# Altium PCB motordriver-v5.1.PcbDoc (part 6 of 8)
Units mil, origin at the board's own origin, x right, y up, seen from the top; angles counter-clockwise.
Board outline 4531.01 x 6141.73 mil, 6 copper layers (Top Copper, GND Layer 1, Signal Layer 1, Signal Layer 2, PWR Layer, Bottom Copper), stack 58.2 mil thick; 748 components, 531 nets, 2475 pads, 1059 vias.
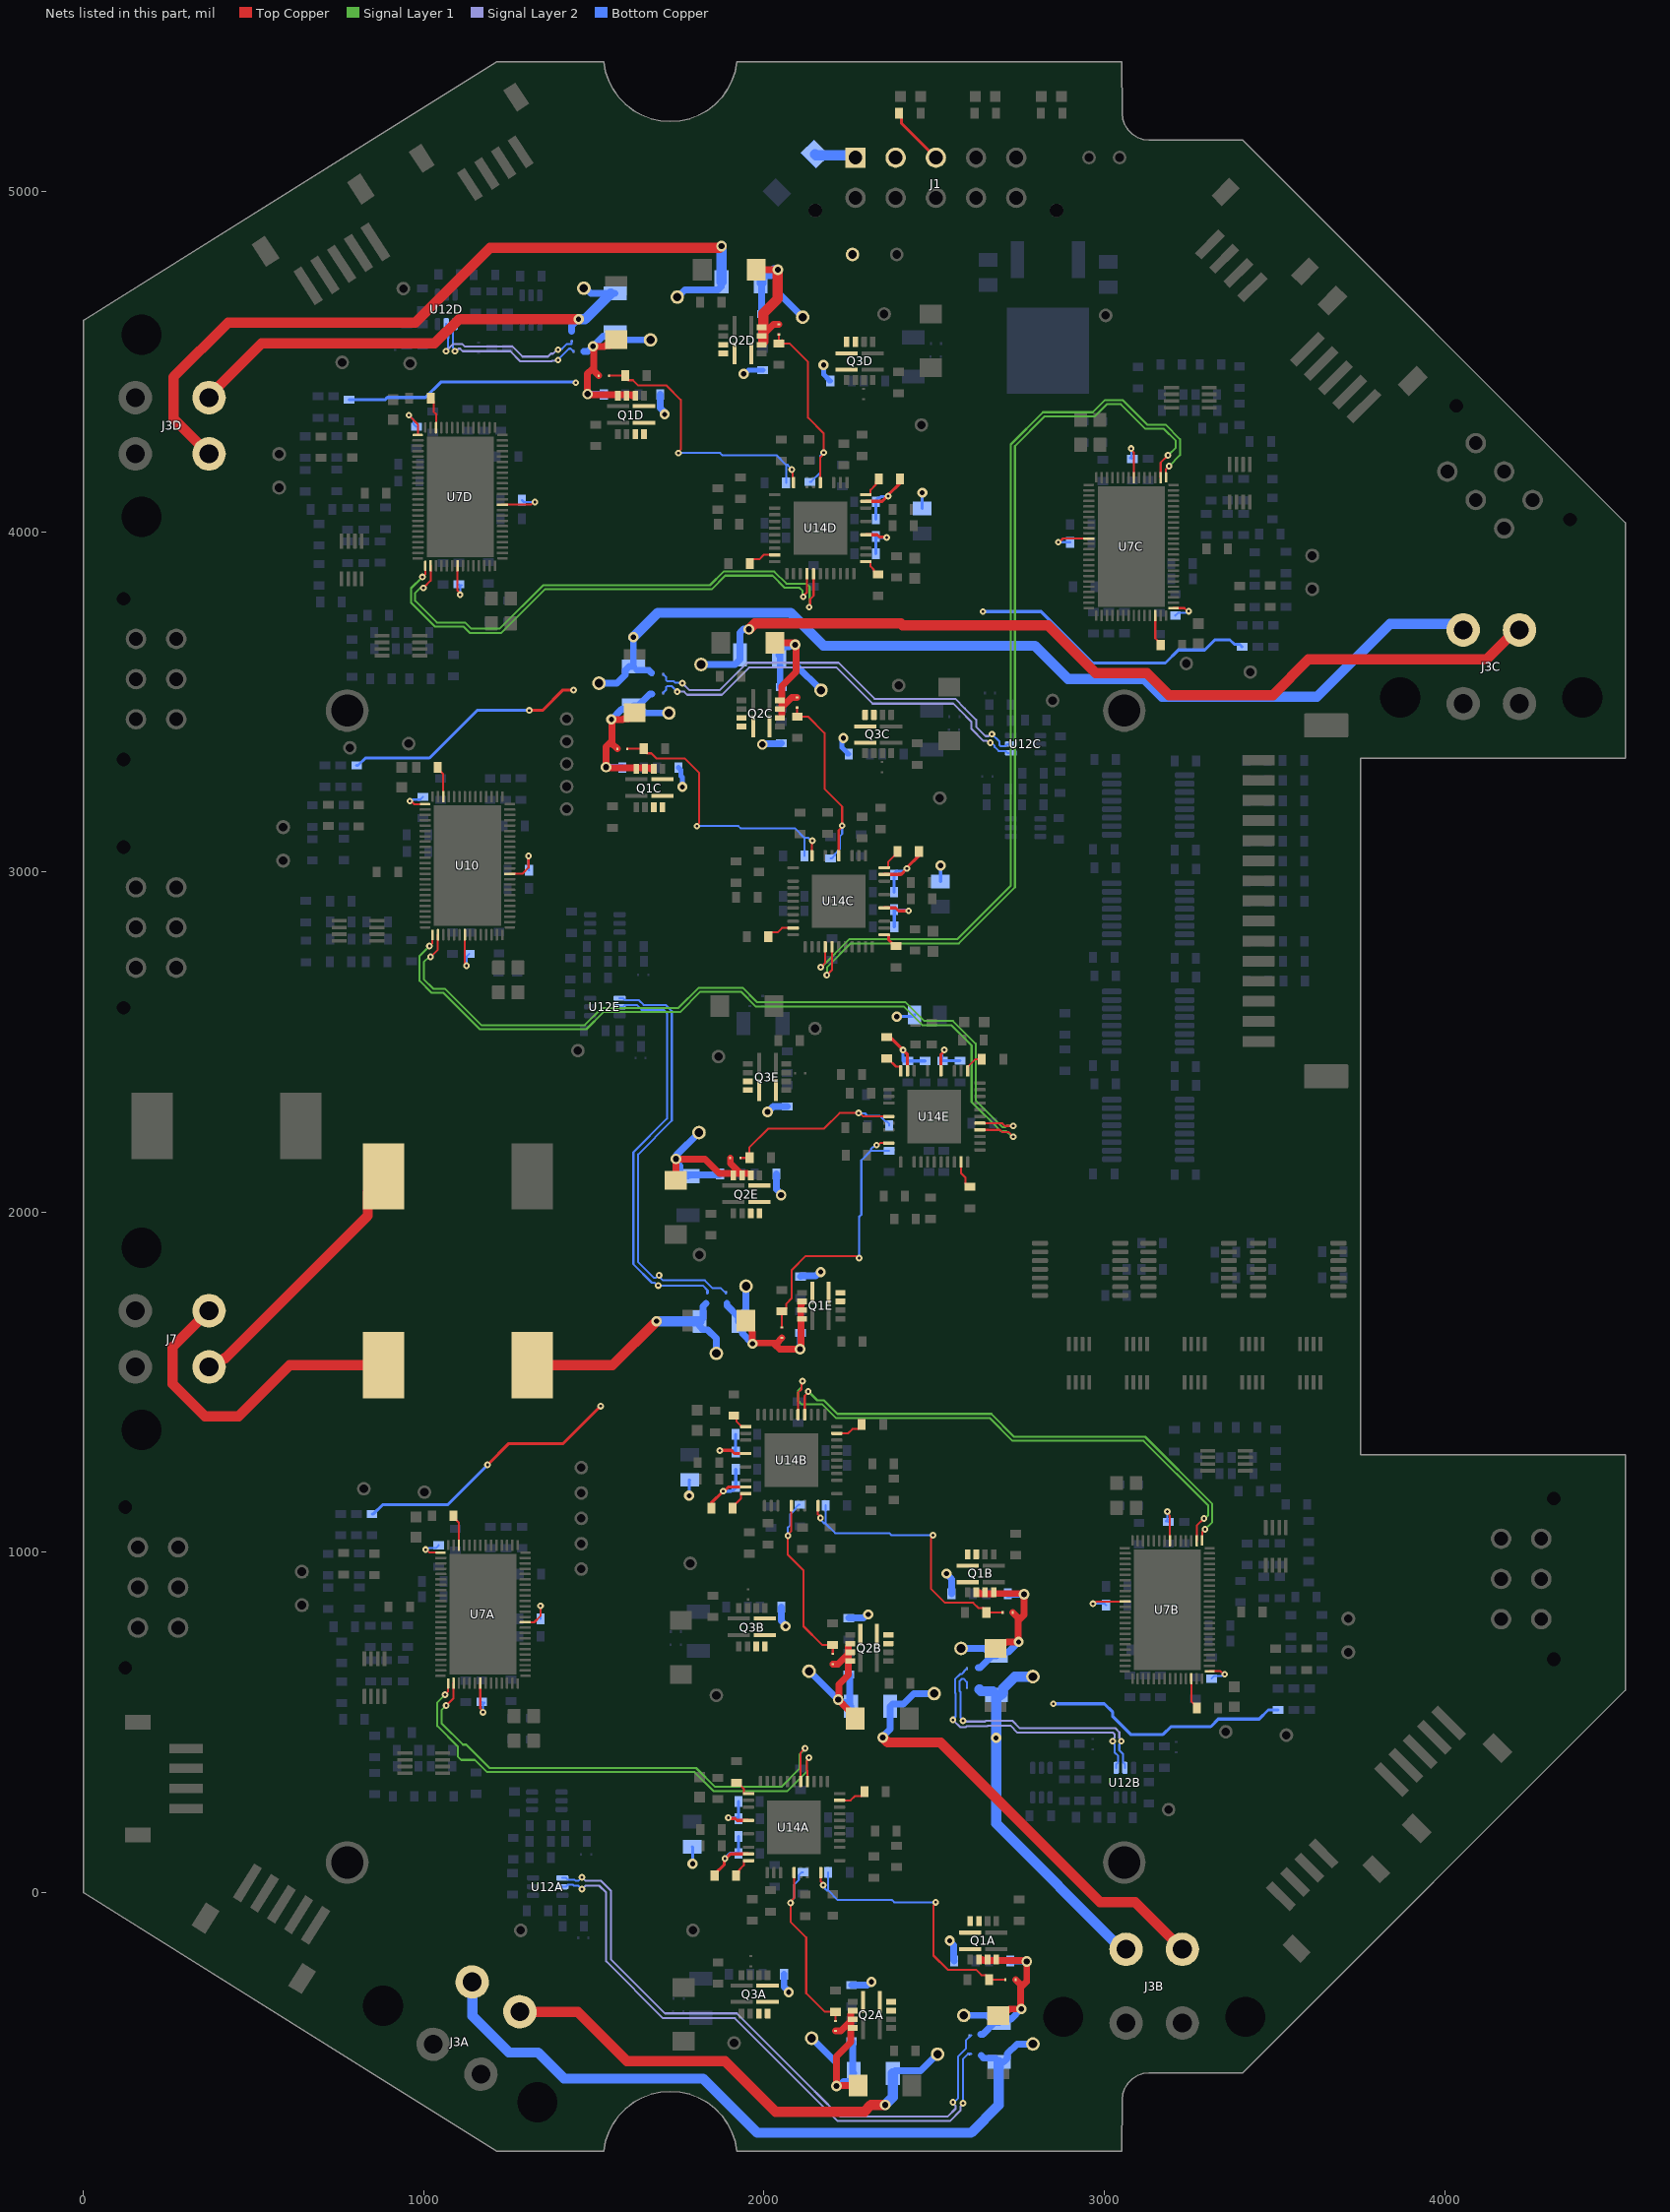
[diagram p10: the nets of this part, all layers, seen from the top]

## Via types
v1: diameter 19.68, hole 7.87, Top Copper to Bottom Copper, tented both sides, 714 vias
v2: diameter 19.68, hole 7.87, Top Copper to Bottom Copper, 243 vias
v3: diameter 30, hole 15, Top Copper to Bottom Copper, tented both sides, 73 vias
v4: diameter 31.5, hole 17.72, Top Copper to Bottom Copper, tented both sides, 29 vias

## Nets (pads, with @x,y where several pads share a name; then routed paths per layer and width w, separated by ;. In a path a pad name is that pad's centre, name@x,y a point inside that pad or via, vN(x,y) a via of type N, cw(c..) or ccw(c..) an arc to the next point about the centre after c; other vN are vias at no path point) (continued)
SPEA: R38A.1 U14A.22 | length 55.8
  Top Copper w6: R38A.1@1918.79,323.04 1922.73,323.04 1941.02,304.75 1941.02,292.75 1942.94,290.83 U14A.22@1954.2,290.83
SPEB: R38B.1 U14B.22 | length 53.5
  Top Copper w6: R38B.1@1911.32,1401.63 1919.74,1393.2 1919.74,1384.33 1934.51,1369.57 U14B.22@1946.32,1369.57
SPEC: R38C.1 U14C.22 | length 56.7
  Top Copper w8: U14C.22@2353.3,2815.63 2365.11,2815.63 2366.03,2814.71 2366.03,2800.58 2384.05,2782.56 R38C.1@2387.99,2782.56
SPED: R38D.1 U14D.22 | length 61.4
  Top Copper w6: U14D.22@2299.19,3912.31 2311.01,3912.31 2312.93,3910.39 2312.93,3898.58 2322.28,3889.23 2322.28,3883.74 2331.09,3874.93 R38D.1@2335.02,3874.93
SPEE: R38E.1 U14E.22 | length 62.6
  Top Copper w6: U14E.22@2598.75,2415.27 2598.75,2427.08 2621.66,2450 R38E.1@2640,2450
STATUSA: R25A.2 U7A.12 | length 93.2
  Top Copper w6: R25A.2@1087.38,1107.6 1087.38,1103.67 1103.2,1087.84 U7A.12@1103.2,1020.95
STATUSB: R25B.2 U7B.12 | length 93.2
  Top Copper w6: U7B.12@3255.78,629 3255.78,562.11 3271.6,546.29 R25B.2@3271.6,542.35
STATUSC: R25C.2 U7C.12 | length 93.2
  Top Copper w6: U7C.12@3149.78,3753.9 3149.78,3687 3165.6,3671.18 R25C.2@3165.6,3667.24
STATUSD: R25D.2 U7D.12 | length 93.2
  Top Copper w6: R25D.2@1020.38,4392.6 1029.19,4383.79 1029.19,4353.28 1036.2,4346.26 U7D.12@1036.2,4305.95
STATUSE: R46.2 U10.12 | length 93.2
  Top Copper w6: R46.2@1041.19,3307.76 1041.19,3303.82 1057.01,3288 U10.12@1057.01,3221.11
TESTA: R24A.1 U14A.9 | length 86.1
  Top Copper w6: U14A.9@2221.91,271.14 2254.57,271.14 2267.25,283.82 2285.68,283.82 2294.99,293.13 R24A.1@2294.99,297.07
TESTB: R24B.1 U14B.9 | length 86.1
  Top Copper w6: U14B.9@2214.04,1349.88 2246.7,1349.88 2259.38,1362.56 2277.81,1362.56 2287.12,1371.87 R24B.1@2287.12,1375.81
TESTC: R24C.1 U14C.9 | length 86.1
  Top Copper w6: R24C.1@2012.51,2809.39 2012.51,2813.32 2021.82,2822.63 2040.25,2822.63 2052.93,2835.31 U14C.9@2085.59,2835.31
TESTD: R24D.1 U14D.9 | length 86.1
  Top Copper w6: R24D.1@1958.4,3906.07 1958.4,3910.01 1967.71,3919.32 1986.14,3919.32 1998.82,3931.99 U14D.9@2031.48,3931.99
TESTE: R24E.1 U14E.9 | length 86.1
  Top Copper w6: U14E.9@2579.06,2147.56 2579.06,2114.9 2591.74,2102.22 2591.74,2083.79 2601.05,2074.48 R24E.1@2604.99,2074.48
U_FBKA: C62A.2 NT1A.2 R57A.1 U14A.36 | length 849.1
  Top Copper w6: U14A.36@2166.8,58.54 2166.39,58.14 2166.39,33.47 2173.93,25.93 v1(2173.93,21.95) ; v1(2504.62,-28.43) 2504.62,-32.07 2497.99,-38.7 2497.99,-184.93 2539.78,-226.72 2622.78,-226.72 2638.48,-242.42 2651.8,-242.42 2661.11,-251.73 R57A.1@2661.11,-255.67 NT1A.2@2708.99,-255.67
  Bottom Copper w6: v1(2173.93,21.95) 2173.93,17.98 2180.17,11.74 2180.17,10.74 2184.53,6.39 2188.67,6.39 ; C62A.2@2188.67,59.29 2188.67,6.39 ; v1(2504.62,-28.43) 2382.75,-28.43 2376.26,-21.93 2216.99,-21.93 2188.67,6.39
U_FBKB: C62B.2 NT1B.2 R57B.1 U14B.36 | length 849.1
  Top Copper w6: U14B.36@2158.92,1137.28 2158.52,1136.88 2158.52,1112 2165.62,1104.89 v1(2165.62,1100.92) ; v1(2496.74,1050.31) 2496.74,1046.67 2490.12,1040.04 2490.12,893.81 2531.9,852.02 2614.9,852.02 2630.61,836.32 2643.93,836.32 2653.24,827.01 R57B.1@2653.24,823.07 NT1B.2@2701.12,823.07
  Bottom Copper w6: v1(2165.62,1100.92) 2165.62,1096.94 2171.97,1090.6 2171.97,1089.81 2176.65,1085.13 2180.8,1085.13 ; C62B.2@2180.8,1138.03 2180.8,1085.13 ; v1(2496.74,1050.31) 2374.88,1050.31 2368.38,1056.81 2209.12,1056.81 2180.8,1085.13
U_FBKC: C62C.2 NT1C.2 R57C.1 U14C.36 | length 856.8
  Top Copper w6: NT1C.2@1598.51,3362.12 R57C.1@1646.39,3362.12 1646.39,3358.19 1655.7,3348.88 1669.02,3348.88 1684.72,3333.17 1767.72,3333.17 1809.51,3291.39 1809.51,3145.15 1802.88,3138.52 v1(1802.88,3134.88) ; U14C.36@2140.7,3047.91 2141.11,3048.31 2141.11,3075.33 2140.4,3076.03 2140.4,3090.81 v1(2141.83,3092.24)
  Bottom Copper w6: v1(1802.88,3134.88) 1924.75,3134.88 1931.24,3128.39 2090.51,3128.39 2118.83,3100.06 ; C62C.2@2118.83,3047.16 2118.83,3100.06 ; v1(2141.83,3092.24) 2138.13,3092.24 2130.31,3100.06 2118.83,3100.06
U_FBKD: C62D.2 NT1D.2 R57D.1 U14D.36 | length 848.8
  Top Copper w6: NT1D.2@1544.4,4458.81 R57D.1@1592.28,4458.81 1592.28,4454.87 1601.59,4445.56 1614.91,4445.56 1630.61,4429.86 1713.61,4429.86 1755.4,4388.07 1755.4,4241.83 1748.77,4235.21 v1(1748.77,4231.56) ; v1(2081.66,4182.65) 2084.17,4180.13 2084.17,4147.01 U14D.36@2086.6,4144.59
  Bottom Copper w6: v1(1748.77,4231.56) 1870.64,4231.56 1877.14,4225.07 2036.4,4225.07 2064.72,4196.75 ; C62D.2@2064.72,4143.84 2064.72,4196.75 ; v1(2081.66,4182.65) 2081.66,4183.95 2068.86,4196.75 2064.72,4196.75
U_FBKE: C62E.2 NT1E.2 R57E.1 U14E.36 | length 849.5
  Top Copper w6: NT1E.2@2052.25,1660.48 R57E.1@2052.25,1708.36 2056.19,1708.36 2065.5,1717.67 2065.5,1730.99 2081.2,1746.69 2081.2,1829.69 2122.99,1871.48 2269.22,1871.48 2275.85,1864.85 v1(2279.5,1864.85) ; v1(2331.04,2196.88) 2335.01,2196.88 2341.21,2203.08 2366.06,2203.08 U14E.36@2366.47,2202.67
  Bottom Copper w6: v1(2279.5,1864.85) 2279.5,1986.72 2285.99,1993.21 2285.99,2152.48 2314.31,2180.8 ; v1(2331.04,2196.88) 2327.07,2196.88 2320.99,2190.8 2319.57,2190.8 2314.31,2185.55 2314.31,2180.8 ; C62E.2@2367.21,2180.8 2314.31,2180.8
U_L1: J7.1 L1.1 | length 981.2
  Top Copper w30: J7.1@368.99,1710.42 262,1603.43 262,1495 357,1400 456,1400 606.07,1550.07 L1.1@881.99,1550.07
U_SENSEA_N: NT3A.1 U12A.5 | length 1786
  Signal Layer 2 w6: v1(1465,10) 1475.5,20.5 1515.5,20.5 1536,0 1536,-201.8 1703.2,-369 1914.2,-369 2216.94,-671.74 2546.1,-671.74 2577.04,-640.8 2577.04,-629.29 2584.99,-621.34 v1(2584.99,-618.93)
  Bottom Copper w6: U12A.5@1407.62,17.4 1417.96,17.4 1423.76,23.2 1437.83,23.2 1440.53,20.5 1454.5,20.5 v1(1465,10) ; v1(2584.99,-618.93) 2584.99,-488.33 2599.88,-473.43 2607.49,-473.43 2608.99,-474.93
U_SENSEA_P: NT2A.1 U12A.4 | length 1826.1
  Top Copper w6: v1@2555.09,-617.55 v1(2555.09,-616.3)
  Signal Layer 2 w6: v1(1465,45) 1475.5,34.5 1521.3,34.5 1550,5.8 1550,-196 1709,-355 1920,-355 2150.05,-585.05 2155,-590 2222.74,-657.74 2540.3,-657.74 2563.04,-635 2563.04,-626.66 2555.09,-618.71 v1(2555.09,-616.3)
  Bottom Copper w6: U12A.4@1407.62,42.99 1417.96,42.99 1423.76,37.2 1443.63,37.2 1446.33,34.5 1454.5,34.5 v1(1465,45) ; v1@2556.62,-618.53 2569.99,-605.16 2569.99,-482.11 2593.08,-459.02 2593.08,-434.84 2607.99,-419.93 2608.99,-419.93
U_SENSEB_N: NT3B.1 U12B.5 | length 754.9
  Signal Layer 2 w6: v1(2585,505) 2587.17,502.83 2650.4,502.83 2652.57,505 2729.8,505 2750.8,484 3031.76,484 ; 3031.76,483.82 3044.16,471.42 3044.16,454.36 3050,448.52 v1(3050,444.82)
  Bottom Copper w6: v1(2585,505) 2585,507.41 2577.05,515.36 2577.05,590.64 2575,592.69 2575,621.49 2581.77,628.26 2586.74,628.26 2596.12,618.88 NT3B.1@2596.12,603.81 ; v1@3050,441.11 v1@3050,441.3 ; v1(3050,444.82) v1@3050,441.3 ; U12B.5@3060.6,366.62 3060.6,376.96 3054.8,382.76 3054.8,407.48 3044.16,418.13 3044.16,435.45 v1@3050,441.3
U_SENSEB_P: NT2B.1 U12B.4 | length 780.1
  Signal Layer 2 w6: v1(2555.1,507.63) 2576.57,486.16 2592.8,486.16 2595.48,488.83 2656.2,488.83 2658.37,491 2724,491 2745,470 3025.96,470 ; v1(3024.31,444.82) 3024.31,448.52 3030.16,454.36 3030.16,465.62 3025.96,469.82
  Bottom Copper w6: v1(2555.1,507.63) 2555.1,510.04 2563.05,517.99 2563.05,584.84 2561,586.89 2561,627.28 2575.97,642.26 2581.02,642.26 2587.63,648.86 2587.63,650.32 NT2B.1@2596.12,658.81 ; v1@3024.31,441.11 v1@3024.31,441.3 ; v1(3024.31,444.82) v1@3024.31,441.3 ; U12B.4@3035.01,366.62 3035.01,376.96 3040.8,382.76 3040.8,401.69 3030.16,412.33 3030.16,435.45 v1@3024.31,441.3
U_SENSEC_N: NT3C.1 U12C.5 | length 1205.6
  Signal Layer 2 w6: v1(1760,3555) 1780,3535 1870.2,3535 1950.2,3615 2219,3615 2325,3509 2561.8,3509 2589.9,3480.9 2623.31,3447.49 2623.31,3426.99 2650.91,3399.38 2660.44,3399.38 2666.05,3405 v1(2669.76,3405)
  Bottom Copper w6: NT3C.1@1703.51,3581.39 1711.87,3573.02 1711.87,3564.4 1715.39,3560.89 1733.91,3560.89 1737.78,3557.02 1757.98,3557.02 v1(1760,3555) ; v1(2669.76,3405) 2691.66,3383.1 2691.66,3373.38 2695.18,3369.87 2709.25,3369.87 2715.04,3375.66 U12C.5@2725.39,3375.66
U_SENSEC_P: NT2C.1 U12C.4 | length 1197.1
  Signal Layer 2 w6: v1(1745,3530) 1765.2,3530 1774.2,3521 1876,3521 1956,3601 2213.2,3601 2319.2,3495 2556,3495 2575.05,3475.95 2609.31,3441.69 2609.31,3421.19 2645.12,3385.38 2655.64,3385.38 2661.25,3379.77 v1(2664.96,3379.77)
  Bottom Copper w6: NT2C.1@1703.51,3526.39 1711.87,3534.75 1711.87,3543.37 1715.39,3546.89 1728.11,3546.89 v1(1745,3530) ; v1(2664.96,3379.77) 2668.66,3379.77 2674.12,3374.31 ; 2674.15,3374.31 2677.66,3370.8 2677.66,3367.58 2689.38,3355.87 2709.25,3355.87 2715.04,3350.07 U12C.4@2725.39,3350.07
U_SENSED_N: NT3D.1 U12D.5 | length 502.1
  Signal Layer 2 w6: v1(1065.63,4530.67) 1065.63,4531.13 1086.56,4552.06 1112.94,4552.06 1120.08,4544.92 1260.08,4544.92 1290,4515 1365,4515 1373.69,4523.69 1379.99,4523.69 1391.3,4535 v1(1395,4535)
  Bottom Copper w6: v1(1065.63,4530.67) 1065.63,4534.37 1071.72,4540.47 1071.72,4569.13 1072.19,4569.59 1072.19,4594.31 1066.39,4600.1 U12D.5@1066.39,4610.45 ; v1(1395,4535) 1397.62,4537.62 1406.85,4537.62 1421.23,4552 1435,4552 NT3D.1@1435,4560
U_SENSED_P: NT2D.1 U12D.4 | length 470.7
  Signal Layer 2 w6: v1(1091.82,4530.67) 1094.79,4530.67 1102.17,4538.06 1107.14,4538.06 1110.18,4535.02 1114.28,4530.92 1254.28,4530.92 1284.2,4501 1375.3,4501 1376.68,4502.38 1392.38,4502.38 v1(1395,4505)
  Bottom Copper w6: v1(1091.82,4530.67) 1091.82,4534.37 1085.72,4540.47 1085.72,4563.33 1086.19,4563.79 1086.19,4594.31 1091.98,4600.1 U12D.4@1091.98,4610.45 ; v1(1395,4505) 1395,4505.97 1427.03,4538 1432,4538 NT2D.1@1440,4530
U_SENSEE_N: NT3E.1 U12E.5 | length 1191
  Bottom Copper w6: U12E.5@1575.62,2603.4 1585.96,2603.4 1591.76,2609.2 1626.21,2609.2 1640.41,2595 1705,2595 1715,2585 1715,2275 1616,2176 1616,1847.14 1670.49,1792.64 1678.42,1792.64 1686.58,1784.48 v1(1688.99,1784.48) 1819.6,1784.48 1834.49,1769.59 1834.49,1761.98 1832.99,1760.48
U_SENSEE_P: NT2E.1 U12E.4 | length 1254.2
  Top Copper w6: v1@1690.37,1814.38 v1(1691.62,1814.38)
  Bottom Copper w6: U12E.4@1575.62,2628.99 1585.96,2628.99 1591.76,2623.2 1632.01,2623.2 1646.2,2609 1710.8,2609 1729,2590.8 1729,2269.2 1630,2170.2 1630,1852.93 1676.29,1806.64 1681.26,1806.64 1689,1814.38 v1(1691.62,1814.38) ; v1@1689.39,1812.85 1702.76,1799.48 1825.81,1799.48 1848.9,1776.39 1873.08,1776.39 1887.99,1761.48 1887.99,1760.48
U_SWA: C59A.2 D7A.2 NT1A.1 NT2A.2 Q1A.8 R60A.2 TP14A.1 | length 679.9
  Top Copper w20: 2640.99,-196.93 2643.99,-199.93 2682.76,-199.93 2682.96,-199.73 2769.79,-199.73 v4(2771.99,-201.93) 2771.99,-262.03 2758.67,-275.35 ; D7A.2@2687.99,-361.6 2705.55,-344.04 2719.88,-344.04 2721.99,-341.93 v3(2755.99,-341.93) 2754.08,-340.02 2754.08,-270.76 NT1A.1@2738.99,-255.67
  Bottom Copper w20: TP14A.1@2586.99,-360.93 2656.28,-360.93 R60A.2@2677.8,-382.45 ; 2636.99,-416.93 2643.32,-416.93 R60A.2@2677.8,-382.45 ; C59A.2@2724.1,-200.55 2724.79,-201.24 2771.3,-201.24 v4(2771.99,-201.93) ; v3(2755.99,-341.93) 2726.14,-371.78 2701.66,-371.78 R60A.2@2690.99,-382.45 R60A.2@2677.8,-382.45
U_SWB: C59B.2 D7B.2 NT1B.1 NT2B.2 Q1B.8 R60B.2 TP14B.1 | length 679.9
  Top Copper w20: 2633.12,881.81 2636.12,878.81 2674.89,878.81 2675.09,879.01 2761.92,879.01 v4(2764.12,876.81) 2764.12,816.71 2750.79,803.39 ; D7B.2@2680.12,717.14 2697.68,734.7 2712.01,734.7 2714.12,736.81 v3(2748.12,736.81) 2746.2,738.72 2746.2,807.98 NT1B.1@2731.12,823.07
  Bottom Copper w20: TP14B.1@2579.12,717.81 2648.41,717.81 R60B.2@2669.93,696.29 ; 2629.12,661.81 2635.45,661.81 R60B.2@2669.93,696.29 ; C59B.2@2716.23,878.19 2716.92,877.5 2763.43,877.5 v4(2764.12,876.81) ; v3(2748.12,736.81) 2718.27,706.96 2693.79,706.96 R60B.2@2683.12,696.29 R60B.2@2669.93,696.29
U_SWC: C59C.2 D7C.2 NT1C.1 NT2C.2 Q1C.8 R60C.2 TP14C.1 | length 679.9
  Top Copper w20: 1548.83,3381.8 1535.51,3368.48 v4(1535.51,3308.39) 1537.71,3306.19 1624.54,3306.19 1624.73,3306.39 1663.51,3306.39 1666.51,3303.39 ; NT1C.1@1568.51,3362.12 1553.42,3377.21 1553.42,3446.47 v3(1551.51,3448.39) 1585.51,3448.39 1587.62,3450.5 1601.95,3450.5 D7C.2@1619.51,3468.06
  Bottom Copper w20: v4(1535.51,3308.39) 1536.2,3307.7 1582.71,3307.7 C59C.2@1583.4,3307.01 ; v3(1551.51,3448.39) 1581.36,3478.24 1605.84,3478.24 R60C.2@1616.51,3488.91 R60C.2@1629.7,3488.91 ; NT2C.2@1670.51,3523.39 1664.18,3523.39 R60C.2@1629.7,3488.91 ; TP14C.1@1720.51,3467.39 1651.22,3467.39 R60C.2@1629.7,3488.91
U_SWD: C59D.2 D7D.2 NT1D.1 NT2D.2 Q1D.8 R60D.2 TP14D.1 | length 575.2
  Top Copper w20: 1494.72,4478.48 1481.4,4465.16 v4(1481.4,4405.07) 1483.6,4402.87 1570.43,4402.87 1570.63,4403.07 1609.4,4403.07 1612.4,4400.07 ; NT1D.1@1514.4,4458.81 1499.31,4473.89 1499.31,4543.15 v3(1497.4,4545.07) 1531.4,4545.07 1533.51,4547.18 1547.84,4547.18 D7D.2@1565.4,4564.74
  Bottom Copper w20: NT2D.2@1470,4530 1482.33,4530 v3(1497.4,4545.07) 1527.25,4574.92 ; v4(1481.4,4405.07) 1482.09,4404.38 1528.6,4404.38 C59D.2@1529.29,4403.69 ; 1597.11,4564.07 TP14D.1@1666.4,4564.07
U_SWE: C59E.2 D7E.2 NT1E.1 NT2E.2 Q1E.8 R60E.2 TP14E.1 | length 679.9
  Top Copper w20: D7E.2@1946.32,1681.48 1963.88,1663.92 1963.88,1649.59 1965.99,1647.48 v3(1965.99,1613.48) 1967.9,1615.39 2037.17,1615.39 NT1E.1@2052.25,1630.48 ; 2032.57,1610.8 2045.9,1597.48 v4(2105.99,1597.48) 2108.19,1599.68 2108.19,1686.51 2107.99,1686.71 2107.99,1725.48 2110.99,1728.48
  Bottom Copper w20: NT2E.2@1890.99,1732.48 1890.99,1726.15 R60E.2@1925.47,1691.67 ; TP14E.1@1946.99,1782.48 1946.99,1713.19 R60E.2@1925.47,1691.67 ; v3(1965.99,1613.48) 1936.14,1643.33 1936.14,1667.81 R60E.2@1925.47,1678.48 R60E.2@1925.47,1691.67 ; v4(2105.99,1597.48) 2106.68,1598.17 2106.68,1644.68 C59E.2@2107.37,1645.37
UA: J3A.1 NT3A.2 R60A.1 TP13A.1 | length 2129.3
  Bottom Copper w20: 2637.99,-478.93 2645.8,-486.74 R60A.1@2680.32,-486.74 ; R60A.1@2689.99,-498.41 R60A.1@2690.99,-497.41 2704.18,-497.41 2714.85,-486.74 2714.85,-473.55 2743.4,-445 TP13A.1@2790,-445 TP13A.1@2794.58,-445
  Bottom Copper w30: J3A.1@1142.49,-262.48 1142.49,-362.49 1250,-470 1335.5,-470 1412.17,-546.67 1820.66,-546.67 1980,-706 2018.43,-706 2607.92,-706 2689.99,-623.93 R60A.1@2689.99,-498.41
UB: J3B.1 NT3B.2 R60B.1 TP13B.1 | length 1095.7
  Bottom Copper w30: 2633.46,596.46 2637.93,592 R60B.1@2672.45,592 ; TP13B.1@2794.18,635 TP13B.1@2790,635 2736.79,635 2701.97,600.19 2701.97,587 2696.31,581.33 R60B.1@2683.12,581.33 2682.12,580.33 v3(2682.12,454.81) 2682.12,202.88 3051.77,-166.77 J3B.1@3063.99,-166.77
UC: J3C.1 NT3C.2 R60C.1 TP13C.1 | length 2929.1
  Bottom Copper w20: TP13C.1@1515,3555 1567.64,3555 1592.65,3580.01 1592.65,3593.2 1603.32,3603.87 R60C.1@1616.51,3603.87 1615.99,3604.38 v3(1615.99,3690.07) ; R60C.1@1627.18,3593.2 1661.7,3593.2 1669.51,3585.39
  Bottom Copper w30: v3(1615.99,3690.07) 1687.92,3762 2078,3762 2175,3665 2795,3665 2892.97,3567.03 3117.97,3567.03 3170,3515 3625,3515 3839.6,3729.6 J3C.1@4062.64,3729.6
UD: J3D.1 NT3D.2 R60D.1 TP13D.1 | length 1453.9
  Top Copper w30: J3D.1@368.99,4394.42 368.99,4398.59 523.87,4553.48 1032.09,4553.48 1103.61,4625 v3(1455,4625)
  Bottom Copper w20: NT3D.2@1435,4590 1435,4605 v3(1455,4625) v3@1456.91,4626.91 ; TP13D.1@1470.4,4716.07 1475.81,4716.07 1491.33,4700.55 1549.21,4700.55 R60D.1@1562.4,4700.55
  Bottom Copper w30: v3(1455,4625) 1473.66,4625 R60D.1@1549.21,4700.55
UE: L1.2 NT3E.2 R60E.1 TP13E.1 | length 718.8
  Top Copper w30: L1.2@1319,1550.07 1554.58,1550.07 v3(1683.99,1679.48)
  Bottom Copper w20: R60E.1@1809.51,1679.48 R60E.1@1810.51,1678.48 1810.51,1665.29 1821.18,1654.62 1834.37,1654.62 1860,1628.99 TP13E.1@1860,1585 TP13E.1@1860,1578.95 ; R60E.1@1821.18,1689.15 1821.18,1723.67 1828.99,1731.48
  Bottom Copper w30: v3(1683.99,1679.48) R60E.1@1809.51,1679.48
UHA: U7A.39 U14A.14 | length 1461.4
  Top Copper w6: v1(1062.99,582.07) 1071.71,590.78 U7A.39@1071.71,614.81 ; U14A.14@2127.43,326.26 2127.43,357.48 2125.86,359.04 2125.86,387.1 2131.88,393.12 v1(2131.88,396.82)
  Signal Layer 1 w6: v1(1062.99,582.07) 1040,559.08 1040,490 1100,430 1100,400 1110,390 1150,390 1185.84,354.16 1795.63,354.16 1851.04,298.74 2068.74,298.74 2125,355 2125,386.46 2131.88,393.34 v1(2131.88,396.82)
UHB: U7B.39 U14B.14 | length 1516.6
  Top Copper w6: U14B.14@2119.55,1405 2119.55,1460.27 2129.89,1470.61 v1(2129.89,1473.02) ; U7B.39@3287.27,1035.14 3287.27,1059.17 v1(3295.99,1067.88)
  Signal Layer 1 w6: v1(2129.89,1473.02) 2130.55,1473.02 2156.57,1447 2176.08,1447 2215.92,1407.16 2667.84,1407.16 2735,1340 3120,1340 3317.34,1142.66 3317.34,1089.24 v1(3295.99,1067.88)
UHC: U7C.39 U14C.14 | length 2748.1
  Top Copper w6: v1(2166.79,2720.2) v1(2166.79,2720.2) 2180.07,2733.42 U14C.14@2180.07,2780.19 ; U7C.39@3181.27,4160.04 3181.27,4184.06 v1(3189.99,4192.78)
  Signal Layer 1 w6: v1(2166.79,2720.2) 2168.23,2720.2 2250.3,2802.27 2567.27,2802.27 2725,2960 2725,4256.76 2819.59,4351.35 2966.35,4351.35 3002.27,4387.27 3053.64,4387.27 3125.91,4315 3179.7,4315 3222.27,4272.43 3222.27,4225.06 v1(3189.99,4192.78)
UHD: U7D.39 U14D.14 | length 1491.7
  Top Copper w6: v1(995.99,3867.07) 1004.71,3875.78 U7D.39@1004.71,3899.81 ; v1(2115.14,3808.69) 2115.14,3810.78 2125.97,3821.61 U14D.14@2125.97,3876.88
  Signal Layer 1 w6: v1(995.99,3867.07) 963,3834.08 963,3792 1033.49,3721.51 1116.51,3721.51 1135.03,3703 1228,3703 1356.02,3831.02 1846.02,3831.02 1886.02,3871.02 2025.41,3871.02 2060.64,3835.79 2104.21,3835.79 2112.52,3827.48 2112.52,3811.31 v1(2115.14,3808.69)
UHE: U10.39 U14E.14 | length 2379.3
  Top Copper w6: v1(1016.8,2782.23) 1025.52,2790.94 U10.39@1025.52,2814.97 ; U14E.14@2634.18,2242.04 2693.31,2242.04 2699.69,2235.66 2718.44,2235.66 v1(2732.12,2221.98)
  Signal Layer 1 w6: v1(1016.8,2782.23) 988,2753.42 988,2680.03 1023.03,2645 1057.32,2645 1164.32,2538 1478,2538 1528,2588 1753,2588 1813,2648 1932.15,2648 1975.15,2605 2409.9,2605 2464.9,2550 2550.15,2550 2610,2490.15 2610,2323.58 2695.04,2238.54 2711.46,2238.54 2716.92,2233.08 2717.31,2233.08 2728.42,2221.98 v1(2732.12,2221.98)
ULA: U7A.40 U14A.15 | length 1454.4
  Top Copper w6: v1(1065.99,550.07) 1087.45,571.53 U7A.40@1087.45,615.44 ; U14A.15@2107.74,326.26 2107.74,411.4 v1(2120.69,424.35)
  Signal Layer 1 w6: v1(1065.99,550.07) 1052,536.08 1052,498 1115,435 1125,435 1193.84,366.16 1800.66,366.16 1856.03,310.79 2050.79,310.79 2105,365 2105,405.95 2120.69,421.65 v1(2120.69,424.35)
ULB: U7B.40 U14B.15 | length 1617.9
  Top Copper w6: U14B.15@2099.87,1405 2099.87,1469.9 2110.04,1480.07 2110.04,1500.31 v1(2112.82,1503.09) ; U7B.40@3271.53,1034.51 3271.53,1078.42 v1(3292.99,1099.88)
  Signal Layer 1 w6: v1(2112.82,1503.09) 2110.2,1500.47 2110.2,1485.2 2100,1475 2100,1446 2111,1435 2171.11,1435 2210.95,1395.16 2662.87,1395.16 2730.03,1328 3115.03,1328 3305.34,1137.69 3305.34,1109.21 3296.02,1099.88 v1(3292.99,1099.88)
ULC: U7C.40 U14C.15 | length 2753.8
  Top Copper w6: v1(2184.35,2697.17) 2199.76,2712.58 U14C.15@2199.76,2780.19 ; U7C.40@3165.53,4159.41 3165.53,4203.31 v1(3186.99,4224.78)
  Signal Layer 1 w6: v1(2184.35,2697.17) 2185.63,2698.45 2185.63,2720.63 2255,2790 2572.35,2790 2737.27,2954.92 2737.27,4251.68 2824.67,4339.08 2971.43,4339.08 3007.35,4375 3048.94,4375 3121.21,4302.73 3175,4302.73 3210,4267.73 3210,4247.79 v1(3186.99,4224.78)
ULD: U7D.40 U14D.15 | length 1572.2
  Top Copper w6: v1(998.99,3835.07) 1020.45,3856.53 U7D.40@1020.45,3900.44 ; v1(2132.7,3778.79) 2135.48,3781.57 2135.48,3801.81 2145.65,3811.98 U14D.15@2145.65,3876.88
  Signal Layer 1 w6: v1(998.99,3835.07) 990.07,3835.07 975,3820 975,3796.97 1038.46,3733.51 1121.49,3733.51 1140,3715 1223.03,3715 1351.05,3843.02 1841.05,3843.02 1881.05,3883.02 2030.41,3883.02 2065.65,3847.79 2124.67,3847.79 2133.98,3838.47 2133.98,3780.07 v1(2132.7,3778.79)
ULE: U10.40 U14E.15 | length 2354.3
  Top Copper w6: v1(1019.8,2750.23) 1041.27,2771.69 U10.40@1041.27,2815.6 ; U14E.15@2634.18,2261.73 2699.08,2261.73 2707.14,2253.66 v1(2732.4,2253.66)
  Signal Layer 1 w6: v1(1019.8,2750.23) 1015.23,2750.23 1000,2735 1000,2685 1028,2657 1062.29,2657 1169.29,2550 1473.03,2550 1523.03,2600 1748.03,2600 1808.03,2660 1937.12,2660 1980.12,2617 2416.03,2617 2471.01,2562.02 2555.1,2562.02 2622,2495.12 2622,2328.56 2700.01,2250.54 2708.5,2250.54 2711.62,2253.66 v1(2732.4,2253.66)
V_FBKA: C63A.2 NT4A.2 R63A.1 U14A.33 | length 633.3
  Top Copper w6: U14A.33@2088.06,58.54 2087.99,58.48 2087.99,-15.96 2077.99,-25.96 v1(2077.99,-29.93) 2077.99,-85.93 2123.99,-131.93 2123.99,-295.93 2178.61,-350.55 R63A.1@2209.73,-350.55 ; R63A.1@2200.42,-359.86 R63A.1@2209.73,-350.55 ; NT4A.2@2209.99,-376.93 2209.99,-350.81 R63A.1@2209.73,-350.55
  Bottom Copper w6: v1(2077.99,-29.93) 2077.99,-26.58 2087.98,-16.59 2087.98,22.98 2102.25,37.25 2102.25,51.19 2111.06,60 C63A.2@2115,60
V_FBKB: C63B.2 NT4B.2 R63B.1 U14B.33 | length 633.7
  Top Copper w6: U14B.33@2080.18,1137.28 2080.12,1137.22 2080.12,1062.78 2070.12,1052.78 v1(2070.12,1048.81) 2070.12,992.81 2116.12,946.81 2116.12,782.81 2170.74,728.19 R63B.1@2201.86,728.19 ; R63B.1@2192.55,718.88 R63B.1@2201.86,728.19 ; NT4B.2@2202.12,701.81 2202.12,727.93 R63B.1@2201.86,728.19
  Bottom Copper w6: v1(2070.12,1048.81) 2070.12,1073.14 2077.27,1080.29 2077.27,1112.27 2092.25,1127.25 2092.25,1131.19 2101.06,1140 C63B.2@2105,1140
V_FBKC: C63C.2 NT4C.2 R63C.1 U14C.33 | length 625.5
  Top Copper w6: NT4C.2@2097.5,3483.39 2097.51,3457.26 R63C.1@2097.77,3457.01 2128.89,3457.01 2177.79,3408.11 2177.79,3244.11 2229.51,3192.39 v1(2229.51,3136.39) 2229.51,3132.41 2219.51,3122.41 2219.51,3047.98 U14C.33@2219.44,3047.91
  Bottom Copper w6: C63C.2@2195,3040 2198.94,3040 2207.75,3048.81 2207.75,3052.75 2223.04,3068.04 2223.04,3105.4 2229.51,3111.86 v1(2229.51,3136.39)
V_FBKD: C63D.2 NT4D.2 R63D.1 U14D.33 | length 630.8
  Top Copper w6: NT4D.2@2043.4,4580.07 2043.4,4553.94 R63D.1@2043.66,4553.69 ; R63D.1@2052.97,4563 R63D.1@2043.66,4553.69 ; U14D.33@2165.34,4144.59 2165.4,4144.66 2165.4,4219.09 2175.4,4229.09 v1(2175.4,4233.07) 2175.4,4289.07 2129.4,4335.07 2129.4,4499.07 2074.78,4553.69 R63D.1@2043.66,4553.69
  Bottom Copper w6: C63D.2@2135,4147.01 2138.94,4147.01 2165,4173.07 2165,4222.67 v1(2175.4,4233.07)
V_FBKE: C63E.2 NT4E.2 R63E.1 U14E.33 | length 633.1
  Top Copper w6: NT4E.2@1930.99,2159.48 1957.11,2159.48 R63E.1@1957.37,2159.74 ; R63E.1@1948.06,2169.05 R63E.1@1957.37,2159.74 ; U14E.33@2366.47,2281.41 2366.4,2281.48 2291.96,2281.48 2281.96,2291.48 v1(2277.99,2291.48) 2221.99,2291.48 2175.99,2245.48 2011.99,2245.48 1957.37,2190.86 R63E.1@1957.37,2159.74
  Bottom Copper w6: v1(2277.99,2291.48) 2279.13,2290.34 2296.83,2290.34 2304.63,2282.54 2340.46,2282.54 2355.24,2267.75 2359.18,2267.75 2367.99,2258.94 C63E.2@2367.99,2255
V_L2: J7.2 L2.1 | length 785.2
  Top Copper w30: J7.2@368.99,1545.07 387.51,1545.07 413.09,1570.65 416.65,1570.65 835.46,1989.46 835.46,2059.04 L2.1@881.49,2105.07
V_SWA: C64A.2 D8A.2 NT4A.1 Q2A.8 R66A.2 TP16A.1 | length 691.9
  Top Copper w20: NT4A.1@2209.99,-406.93 2225.71,-406.93 Q2A.8@2254.6,-378.04 ; v4(2212.99,-568.43) v4@2212.99,-566.93 ; 2255.13,-356.93 2255.13,-439.51 2212.99,-481.65 v4@2212.99,-566.93 ; D8A.2@2276.07,-567.09 2275.92,-566.93 v4@2212.99,-566.93
  Bottom Copper w20: TP16A.1@2139.99,-427.93 2212.99,-500.93 v4@2212.99,-566.93 ; v4(2212.99,-568.43) v4@2212.99,-566.93 ; C64A.2@2256.98,-437.17 2258.41,-437.17 2260.23,-438.98 R66A.2@2260.23,-528.01 ; R66A.2@2263.47,-531.26 R66A.2@2260.23,-528.01 ; v4@2212.99,-566.93 2214.9,-565.02 2223.22,-565.02 2233.12,-555.12 2252.8,-555.12 2260.23,-547.7 R66A.2@2260.23,-528.01
V_SWB: C64B.2 D8B.2 NT4B.1 Q2B.8 R66B.2 TP16B.1 | length 559.1
  Top Copper w20: NT4B.1@2202.12,671.81 2217.84,671.81 Q2B.8@2246.73,700.7 ; 2247.25,721.81 2247.25,639.23 2220.2,612.18 2220.2,569.2 v4(2218,567) 2250.64,534.36 2250.64,529.21 D8B.2@2268.2,511.65
  Bottom Copper w20: TP16B.1@2132.12,650.81 2133.15,650.81 2216.96,567 v4(2218,567) 2221.11,567 2229.69,558.42 2244.93,558.42 R66B.2@2252.35,551 ; C64B.2@2249.1,641.57 2250.54,641.57 2252.35,639.76 R66B.2@2252.35,551 ; R66B.2@2252.35,550.73 R66B.2@2252.35,551 ; R66B.2@2255.6,547.48 2255.6,547.75 R66B.2@2252.35,551
V_SWC: C64C.2 D8C.2 NT4C.1 Q2C.8 R66C.2 TP16C.1 | length 687.8
  Top Copper w20: D8C.2@2031.43,3673.54 2031.58,3673.39 2088.87,3673.39 2091.87,3670.38 v4(2091.87,3667.89) ; 2052.37,3463.39 2052.37,3545.96 2094.51,3588.1 v4@2094.51,3673.39 ; Q2C.8@2052.89,3484.5 2081.78,3513.39 NT4C.1@2097.5,3513.39
  Bottom Copper w20: R66C.2@2044.03,3637.71 R66C.2@2047.27,3634.47 ; C64C.2@2050.52,3543.62 2049.08,3543.62 2047.27,3545.43 R66C.2@2047.27,3634.47 ; v4(2091.87,3667.89) 2089.67,3665.69 2078.5,3665.69 2074.38,3661.57 2054.7,3661.57 2047.27,3654.15 R66C.2@2047.27,3634.47 ; v4@2092.6,3671.47 2094.51,3673.39 2094.51,3607.39 TP16C.1@2167.51,3534.39
V_SWD: C64D.2 D8D.2 NT4D.1 Q2D.8 R66D.2 TP16D.1 | length 688.9
  Top Copper w20: D8D.2@1977.32,4770.22 1977.48,4770.07 v4(2040.4,4770.07) ; Q2D.8@1998.79,4581.18 2027.68,4610.07 NT4D.1@2043.4,4610.07
  Top Copper w30: 1998.26,4560.07 1998.26,4642.65 2040.4,4684.78 v4(2040.4,4770.07)
  Bottom Copper w20: R66D.2@1989.92,4734.4 1993.17,4731.15 1993.17,4642.11 1994.98,4640.3 C64D.2@1996.41,4640.3 ; v4@2038.49,4768.15 v4(2040.4,4770.07) 2040.4,4704.07 TP16D.1@2113.4,4631.07
  Bottom Copper w30: R66D.2@1993.17,4731.15 1993.17,4750.83 2000.59,4758.25 2020.27,4758.25 2030.17,4768.15 v4@2038.49,4768.15
V_SWE: C64E.2 D8E.2 NT4E.1 Q2E.8 R66E.2 TP16E.1 | length 625.2
  Top Copper w20: D8E.2@1740.83,2093.4 1740.99,2093.55 v4(1740.99,2156.48) 1826.27,2156.48 1868.41,2114.34 1950.99,2114.34 ; NT4E.1@1900.99,2159.48 1900.99,2143.76 Q2E.8@1929.88,2114.87
  Bottom Copper w20: R66E.2@1776.66,2106 R66E.2@1779.91,2109.24 ; TP16E.1@1808.9,2233.9 1743.19,2168.19 1743.19,2158.68 v4(1740.99,2156.48) 1742.9,2154.57 1742.9,2146.25 1752.8,2136.35 1752.8,2116.67 1760.22,2109.24 R66E.2@1779.91,2109.24 ; C64E.2@1870.76,2112.49 1870.76,2111.06 1868.95,2109.24 R66E.2@1779.91,2109.24
VA: J3A.2 R66A.1 TP15A.1 | length 1470.3
  Top Copper w20: TP15A.1@2502.87,-467.87 TP15A.1@2510,-475
  Top Copper w30: J3A.2@1282.65,-350.22 1452.22,-350.22 1597,-495 1885,-495 2034,-644 2294.36,-644 2314.08,-624.28 2355.64,-624.28 v4(2355.93,-623.99)
  Bottom Copper w20: R66A.1@2378.43,-531.26 2385.57,-524.12 2460.88,-524.12 TP15A.1@2510,-475
  Bottom Copper w30: v4(2355.93,-623.99) 2355.93,-623.59 2378.43,-601.08 R66A.1@2378.43,-531.26
VB: J3B.2 R66B.1 TP15B.1 | length 1397.4
  Top Copper w30: v4(2349.12,455.81) 2349.52,455.81 2363.95,441.38 2518.62,441.38 2988,-28 3090.58,-28 J3B.2@3239.04,-176.46
  Bottom Copper w20: v4(2349.12,455.81) 2349.12,458.92 2370.56,480.36 R66B.1@2370.56,547.48 2377.7,554.62 2409.51,554.62 2439.9,585 TP15B.1@2500,585
VC: J3C.2 R66C.1 TP15C.1 | length 2684
  Top Copper w30: v4(1955.56,3713.41) 1955.97,3713.41 1973.38,3730.82 2401.28,3730.82 2406.94,3725.16 2834.84,3725.16 2975,3585 3125,3585 3190,3520 3495,3520 3600,3625 4123.39,3625 J3C.2@4227.99,3729.6
  Bottom Copper w20: TP15C.1@1815,3610 1914.54,3610 1929.07,3624.53 R66C.1@1929.07,3637.71 1929.07,3703.38 1939.9,3714.21 1954.77,3714.21 v4(1955.56,3713.41)
VCC: C60A.1 C60B.1 C60C.1 C60D.1 C60E.1 C61A.1 C61B.1 C61C.1 C61D.1 C61E.1 C65A.2 C65B.2 C65C.2 C65D.2 C65E.2 C68A.2 C68B.2 C68C.2 C68D.2 C68E.2 C72A.1 C72B.1 C72C.1 C72D.1 C72E.1 C73A.1 C73B.1 C73C.1 C73D.1 C73E.1 D1.2 J1.1 J1.2 J1.3 Q1A.3 Q1A.4 Q1A.5 Q1B.3 Q1B.4 Q1B.5 Q1C.3 Q1C.4 Q1C.5 Q1D.3 Q1D.4 Q1D.5 Q1E.3 Q1E.4 Q1E.5 Q2A.3 Q2A.4 Q2A.5 Q2B.3 Q2B.4 Q2B.5 Q2C.3 Q2C.4 Q2C.5 Q2D.3 Q2D.4 Q2D.5 Q2E.3 Q2E.4 Q2E.5 Q3A.3 Q3A.4 Q3A.5 Q3B.3 Q3B.4 Q3B.5 Q3C.3 Q3C.4 Q3C.5 Q3D.3 Q3D.4 Q3D.5 Q3E.3 Q3E.4 Q3E.5 R13.2 R18A.1 R18B.1 R18C.1 R18D.1 R43.1 R58A.1 R58B.1 R58C.1 R58D.1 R58E.1 R65A.1 R65B.1 R65C.1 R65D.1 R65E.1 R72A.1 R72B.1 R72C.1 R72D.1 R72E.1 TP8.1 U14A.25 U14A.28 U14B.25 U14B.28 U14C.25 U14C.28 U14D.25 U14D.28 U14E.25 U14E.28 | length 7252
  Top Copper w9: v1(1187.5,1257.5) 1250,1320 1410,1320 v1(1520,1430) ; v1(1310,3475) 1348.95,3475 1408.95,3535 v1(1440,3535) ; C68B.2@1845,1130 1845,1145 v1(1880,1180) 1882.89,1180 1895.29,1192.4 U14B.28@1946.32,1192.4 ; C68A.2@1855,50 1855,53.94 1882.96,81.89 1882.96,97.96 v1(1885,100) 1887.89,100 1901.55,113.66 U14A.28@1954.2,113.66 ; v1(1869.73,1299.55) 1870.18,1300 1903.79,1300 1912.96,1290.83 U14B.25@1946.32,1290.83 ; v1(1894.96,220.03) 1897,217.99 1914.93,217.99 1920.83,212.09 U14A.25@1954.2,212.09 ; U14D.25@2299.19,3991.05 2332.56,3991.05 2338.59,3985.02 2358.47,3985.02 v1(2360.51,3982.98) ; U14D.28@2299.19,4089.47 2347.51,4089.47 2363.04,4105 v1(2365,4105) 2365,4107.89 2400,4142.89 C68D.2@2400,4155 ; U14C.25@2353.3,2894.37 2386.67,2894.37 2395.24,2885.8 v1(2424.69,2885.8) ; U14C.28@2353.3,2992.79 2402.79,2992.79 v1(2420,3010) 2420,3012.89 2455,3047.89 C68C.2@2455,3060 ; C68E.2@2360,2515 2370.37,2515 v1(2408.63,2476.74) 2421.58,2463.78 U14E.28@2421.58,2415.27 ; R13.2@2397.01,5230 2403.92,5223.09 2403.92,5200.75 J1.3@2504.95,5099.72 ; U14E.25@2520.01,2415.27 2520.01,2464.16 2527.62,2471.78 2527.62,2474.83 v1(2529.67,2476.87)
  Bottom Copper w9: R18D.1@780,4387.99 885.99,4387.99 893,4395 1005,4395 1050,4440 1444.85,4440 v1(1446.56,4438.29) ; R43.1@802.83,3313.22 806.77,3313.22 828.55,3335 1016.72,3335 1156.72,3475 v1(1310,3475) ; R18A.1@847.99,1113.06 851.93,1113.06 878.87,1140 1070,1140 v1(1187.5,1257.5) ; v3@1780,1180 1780,1211.89 C65B.2@1781.23,1213.12 ; C65A.2@1789.1,134.38 1790,133.48 v3(1790,85) ; v1(1869.73,1299.55) 1912.07,1299.55 1912.53,1300 C60B.1@1916.82,1295.71 ; v1@1880.03,1180.03 1903.34,1180.03 1905.88,1182.56 1909.81,1182.56 1917.12,1189.87 C72B.1@1917.12,1193.81 C72B.1@1917.12,1193.81 1917.07,1244.28 C61B.1@1917.02,1244.33 ; v1(1885,100) 1900.07,115.07 C72A.1@1925,115.07 1924.94,115.12 C61A.1@1924.89,165.59 C61A.1@1924.89,165.59 ; v1(1894.96,220.03) 1921.63,220.03 C60A.1@1924.69,216.97 ; C73B.1@1916.62,1346.81 1916.82,1346.61 C60B.1@1916.82,1295.71 ; C60B.1@1917.02,1295.51 C60B.1@1916.82,1295.71 ; C73A.1@1924.49,268.07 1924.69,267.87 C60A.1@1924.69,216.97 ; C60A.1@1924.89,216.77 C60A.1@1924.69,216.97 ; C72D.1@2328.39,4088.07 2328.39,4092.01 C72D.1@2328.5,4092.11 ; C60D.1@2328.5,3986.36 C60D.1@2328.7,3986.17 ; C61D.1@2328.5,4037.55 C72D.1@2328.5,4092.11 ; C73D.1@2328.9,3935.07 2328.7,3935.27 C60D.1@2328.7,3986.17 ; v1(2360.51,3982.98) 2331.89,3982.98 C60D.1@2328.7,3986.17 ; v1(2365,4105) 2362.96,4102.96 2343.28,4102.96 2339.64,4099.32 2335.7,4099.32 C72D.1@2328.5,4092.11 ; C72C.1@2382.5,2991.39 2382.5,2995.32 C72C.1@2382.61,2995.43 ; C60C.1@2382.61,2889.68 C60C.1@2382.81,2889.48 ; C61C.1@2382.61,2940.86 C72C.1@2382.61,2995.43 ; C73C.1@2383,2838.39 2382.81,2838.58 C60C.1@2382.81,2889.48 ; v3(2390,2575) 2436.94,2575 C65E.2@2442.3,2580.37 ; v1(2408.63,2476.74) 2408.63,2444.47 C72E.1@2422.99,2444.47 ; C72E.1@2411.74,2451.78 2418.94,2444.58 C61E.1@2473.51,2444.58 ; v1(2420,3010) 2417.11,3010 2409.74,3002.63 2389.81,3002.63 C72C.1@2382.61,2995.43 ; v1(2424.69,2885.8) 2421.8,2885.8 2419.21,2888.39 2383.91,2888.39 C60C.1@2382.81,2889.48 ; C65D.2@2464.29,4068.75 2465,4069.47 v3(2465,4115) ; C65C.2@2518.4,2972.07 2518.97,2972.64 v3(2518.97,3018.91) ; C60E.1@2522.49,2452.29 2522.49,2466.8 2529.67,2473.98 v1(2529.67,2476.87) ; C60E.1@2525.09,2444.98 C73E.1@2575.99,2444.98 ; v1(2643.1,3765.48) 2814.52,3765.48 2965.51,3614.49 3179.49,3614.49 3217.63,3652.63 3295.21,3652.63 3324.92,3682.34 3369.08,3682.34 3382.33,3669.1 3397.68,3669.1 R18C.1@3404.99,3661.78 ; v1(2850,555) 3000,555 3025,530 3025,517.42 3077.42,465 3172.64,465 3195.58,487.94 3312.94,487.94 3335,510 3455,510 3481.89,536.89 R18B.1@3510.99,536.89
  Bottom Copper w15: R58C.1@1748.75,3307.01 1756.06,3299.69 1756.06,3282.44 1760,3278.5 v3(1760,3250) ; v3(1940.2,4464.49) 1944.25,4464.49 1954.72,4474.95 R65D.1@1996.41,4474.95 ; v3(2175.06,4490.3) 2174.96,4490.2 2174.96,4462.74 2191.45,4446.24 2191.45,4443.8 2192.2,4443.06 R72D.1@2194.64,4443.06 ; v3(2233,3393.62) 2233,3389.56 2229.06,3385.62 2229.06,3366.06 2245.56,3349.56 2245.56,3347.12 2246.31,3346.37 R72C.1@2248.75,3346.38
  Bottom Copper w20: R58D.1@1694.64,4403.69 1694.64,4364.2 1707.88,4350.96 v3(1707.88,4345.28) ; v4(1995,3375) 1996.63,3376.63 2048.89,3376.63 R65C.1@2050.52,3378.27 ; v4(2010,2295) 2011.3,2295 2027.03,2310.72 R72E.1@2068,2310.72 ; R65E.1@2036.11,2112.49 2036.11,2067 2050,2053.11 v4(2050,2050) ; R72B.1@2050.87,838.82 2050.87,798.29 2063.48,785.68 v3(2063.48,782.98) ; R72A.1@2058.75,-239.92 2058.75,-276.44 2072.38,-290.06 v3(2072.38,-292.77) ; R58E.1@2107.37,1810.72 2109.18,1812.53 2151.96,1812.53 2163.77,1824.34 v3(2166.47,1824.34) ; R65B.1@2249.1,806.93 2292.68,806.93 2303.44,817.69 v3(2306.15,817.69) ; R65A.1@2256.98,-271.81 2303.43,-271.81 2312.99,-262.25 v3(2315.7,-262.25) ; v3(2536.41,937.51) 2536.41,935.63 2550.87,921.17 R58B.1@2550.87,878.19 ; v3(2545.72,-141.19) 2545.72,-143.89 2556.94,-155.11 2556.94,-198.74 R58A.1@2558.75,-200.55
  Bottom Copper w30: D1.2@2150,5110 2153.34,5106.66 2261.79,5106.66 J1.1@2268.73,5099.72
  other v3: 1780,1166.5
VCCCORE1A: C17A.2 U7A.15 | length 92.6
  Top Copper w6: v1(1005.26,1008.21) 1008.69,1008.21 1017.6,999.3 U7A.15@1050.05,999.3
  Bottom Copper w6: v1(1005.26,1008.21) 1008.69,1008.21 1013.17,1012.68 1035.76,1012.68 C17A.2@1044.07,1020.99
VCCCORE1B: C17B.2 U7B.15 | length 92.6
  Top Copper w6: U7B.15@3308.93,650.66 3341.38,650.66 3350.29,641.75 v1(3353.72,641.75)
  Bottom Copper w6: C17B.2@3314.91,628.96 3323.22,637.27 3345.81,637.27 3350.29,641.75 v1(3353.72,641.75)
VCCCORE1C: C17C.2 U7C.15 | length 92.8
  Top Copper w6: U7C.15@3202.93,3775.55 3235.38,3775.55 3244.29,3766.64 v1(3247.84,3766.64)
  Bottom Copper w6: C17C.2@3208.91,3753.86 3217.22,3762.17 3239.81,3762.17 3244.29,3766.64 v1(3247.84,3766.64)
VCCCORE1D: C17D.2 U7D.15 | length 112.7
  Top Copper w6: v1(956.16,4342.69) 983.05,4315.8 U7D.15@983.05,4284.3
  Bottom Copper w6: v1(956.16,4342.69) 969.49,4329.36 969.49,4317.42 C17D.2@978.23,4308.68
VCCCORE1E: C41.2 U10.15 | length 92.6
  Top Copper w6: v1(959.07,3208.36) 962.51,3208.36 971.42,3199.45 U10.15@1003.86,3199.45
  Bottom Copper w6: v1(959.07,3208.36) 962.51,3208.36 966.98,3212.84 989.57,3212.84 C41.2@997.88,3221.15
VCCCORE2A: C18A.2 U7A.45 | length 138.8
  Top Copper w6: U7A.45@1166.11,615.35 U7A.45@1166.16,615.4 ; U7A.45@1166.19,615.44 1166.19,541.84 1173.99,534.04 v1(1173.99,530.07)
  Bottom Copper w6: C18A.2@1168.31,558.38 C18A.2@1172.76,558.38 ; C18A.2@1170.53,560.61 C18A.2@1172.76,558.38 ; C18A.2@1172.53,552.61 C18A.2@1173.99,554.07 ; v1(1173.99,530.07) C18A.2@1173.99,554.07 ; C18A.2@1172.76,558.38 1178.3,558.38 C18A.2@1173.99,554.07 ; C18A.2@1172.76,558.38 1173.99,557.15 C18A.2@1173.99,554.07
VCCCORE2B: C18B.2 U7B.45 | length 138.8
  Top Copper w6: v1(3184.99,1119.88) 3184.99,1115.91 3192.79,1108.11 U7B.45@3192.79,1034.51 ; U7B.45@3192.79,1034.51 U7B.45@3192.87,1034.6
  Bottom Copper w6: v1(3184.99,1119.88) C18B.2@3184.99,1095.88 ; C18B.2@3186.45,1097.34 C18B.2@3184.99,1095.88 ; C18B.2@3188.45,1089.34 C18B.2@3186.22,1091.57 ; C18B.2@3190.68,1091.57 C18B.2@3186.22,1091.57 ; C18B.2@3184.99,1095.88 3180.68,1091.57 C18B.2@3186.22,1091.57 ; C18B.2@3184.99,1095.88 3184.99,1092.8 C18B.2@3186.22,1091.57
VCCCORE2C: C18C.2 U7C.45 | length 138.8
  Top Copper w6: v1(3078.99,4244.78) 3078.99,4240.8 3086.79,4233.01 U7C.45@3086.79,4159.41 ; U7C.45@3086.82,4159.45 U7C.45@3086.87,4159.49
  Bottom Copper w6: v1(3078.99,4244.78) C18C.2@3078.99,4220.77 ; C18C.2@3080.45,4222.23 C18C.2@3078.99,4220.77 ; C18C.2@3082.45,4214.23 C18C.2@3080.22,4216.46 ; C18C.2@3084.68,4216.46 C18C.2@3080.22,4216.46 ; C18C.2@3078.99,4220.77 3074.68,4216.46 C18C.2@3080.22,4216.46 ; C18C.2@3078.99,4220.77 3078.99,4217.69 C18C.2@3080.22,4216.46
VCCCORE2D: C18D.2 U7D.45 | length 138.8
  Top Copper w6: U7D.45@1099.11,3900.35 U7D.45@1099.16,3900.4 ; U7D.45@1099.19,3900.44 1099.19,3826.84 1106.99,3819.04 v1(1106.99,3815.07)
  Bottom Copper w6: C18D.2@1101.31,3843.38 C18D.2@1105.76,3843.38 ; C18D.2@1103.53,3845.61 C18D.2@1105.76,3843.38 ; C18D.2@1105.53,3837.61 C18D.2@1106.99,3839.07 ; v1(1106.99,3815.07) C18D.2@1106.99,3839.07 ; C18D.2@1105.76,3843.38 1111.3,3843.38 C18D.2@1106.99,3839.07 ; C18D.2@1105.76,3843.38 1106.99,3842.15 C18D.2@1106.99,3839.07
VCCCORE2E: C42.2 U10.45 | length 131.1
  Top Copper w6: U10.45@1120.64,2815.6 1120.64,2733.26 1125.8,2728.09 v1(1125.8,2724.39)
  Bottom Copper w6: v1(1125.8,2724.39) 1125.8,2751.61 C42.2@1133.25,2759.06
VCCCORE3A: C19A.2 U7A.63 | length 121.5
  Top Copper w6: U7A.63@1298.08,794.57 1324.57,794.57 1343,813 v1(1343,843.15)
  Bottom Copper w6: v1(1343,843.15) 1343,804.73 C19A.2@1343.28,804.45
VCCCORE3B: C19B.2 U7B.63 | length 136.9
  Top Copper w6: v1(2966.63,849.11) 2970.33,849.11 2976.6,855.38 U7B.63@3060.9,855.38
  Bottom Copper w6: v1(2966.63,849.11) 3000.92,849.11 C19B.2@3005,845.03
VCCCORE3C: C19C.2 U7C.63 | length 129.8
  Top Copper w7: v1(2864.49,3969.69) 2867.93,3969.69 2878.51,3980.27 U7C.63@2954.9,3980.27
  Bottom Copper w7: v1(2864.49,3969.69) 2898.82,3969.69 C19C.2@2899.28,3969.23
VCCCORE3D: C19D.2 U7D.63 | length 139.5
  Top Copper w6: U7D.63@1231.08,4079.57 1315.09,4079.57 1322.98,4087.45 v1(1326.68,4087.45)
  Bottom Copper w6: C19D.2@1288.46,4093.32 1294.33,4087.45 v1(1326.68,4087.45)
VCCCORE3E: C43.2 U10.63 | length 140.6
  Top Copper w6: U10.63@1252.53,2994.73 1252.8,2995 1290,2995 1307.85,3012.85 v1(1307.85,3047.41)
  Bottom Copper w6: v1(1307.85,3047.41) 1307.85,3006.46 C43.2@1309.46,3004.84
VCPA: C68A.1 U14A.29 | length 65.9
  Top Copper w6: C68A.1@1917.99,50 1926.8,58.81 1926.8,66.58 1940.46,80.24 1940.46,92.05 1942.39,93.98 U14A.29@1954.2,93.98
VCPB: C68B.1 U14B.29 | length 65.5
  Top Copper w6: C68B.1@1907.99,1130 1916.8,1138.81 1916.8,1143.2 1932.59,1158.98 1932.59,1170.79 1934.51,1172.72 U14B.29@1946.32,1172.72
VCPC: C68C.1 U14C.29 | length 69
  Top Copper w6: U14C.29@2353.3,3012.48 2362.65,3012.48 2364.57,3014.4 2364.57,3028.63 2392.01,3056.06 C68C.1@2392.01,3060
VCPD: C68D.1 U14D.29 | length 68.4
  Top Copper w6: U14D.29@2299.19,4109.16 2311.01,4109.16 2312.93,4111.08 2312.93,4122.89 2328.2,4138.16 2328.2,4146.19 C68D.1@2337.01,4155
VCPE: C68E.1 U14E.29 | length 63.4
  Top Copper w6: C68E.1@2360,2452.01 2363.94,2452.01 2387.98,2427.97 2399.98,2427.97 2401.9,2426.05 U14E.29@2401.9,2415.27
VD: J3D.2 R66D.1 TP15D.1 | length 2299.1
  Top Copper w30: J3D.2@368.99,4229.07 265,4333.06 265,4455 425,4615 975,4615 1194.48,4834.48 1869.78,4834.48 1874.55,4839.25 v4(1874.96,4839.25)
  Bottom Copper w20: TP15D.1@1745,4690 1746.18,4690 1766.72,4710.54 1864.29,4710.54 1874.96,4721.21 R66D.1@1874.96,4734.4
  Bottom Copper w30: R66D.1@1874.96,4734.4 v4(1874.96,4839.25)